# Altium PCB Copy of GameBoard_V1I1_083018.PcbDoc (part 21 of 21) (continued)
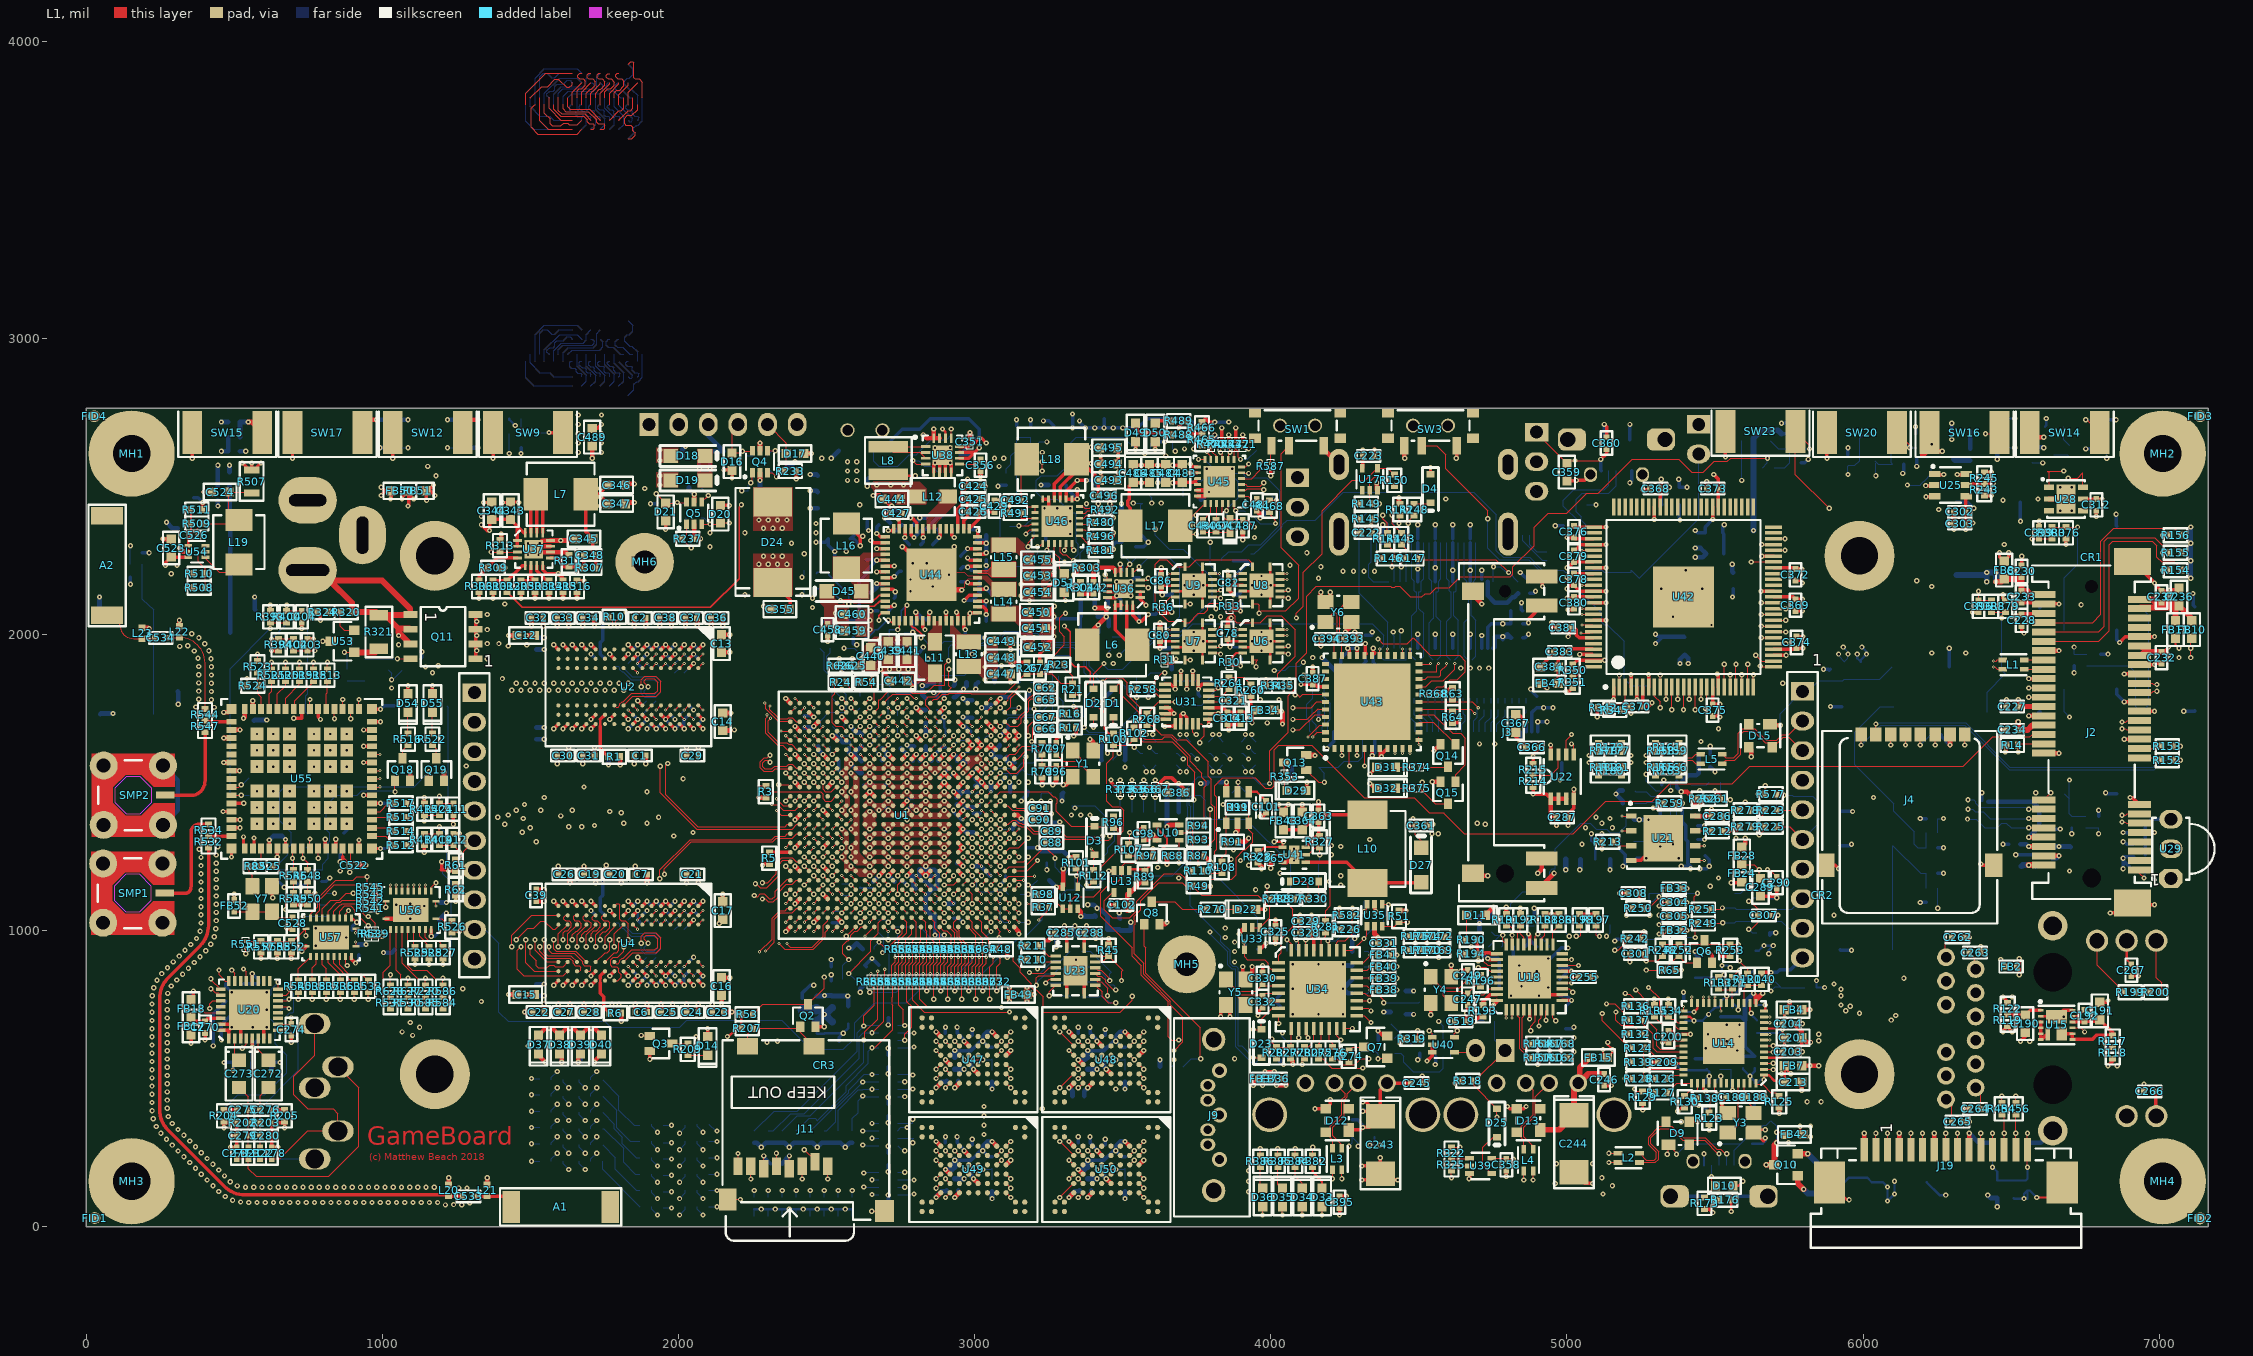
[diagram p0: L1 view]
## Nets (pads, with @x,y where several pads share a name; then routed paths per layer and width w, separated by ;. In a path a pad name is that pad's centre, name@x,y a point inside that pad or via, vN(x,y) a via of type N, cw(c..) or ccw(c..) an arc to the next point about the centre after c; other vN are vias at no path point) (continued)

## Polygon pours and split planes (outlines as drawn)
+1V5_DDR on L1 "L1-+1V5_DDR" (solid, pour order 724): 2732.28,2440.94 2736.22,2437.01 2834.65,2437.01 2838.58,2440.94 2838.58,2492.13 2814.96,2515.75 2657.48,2515.75 2649.61,2507.87 2649.61,2496.06 2657.48,2488.19 2657.48,2444.88 2665.35,2437.01
+1V375_CORE on L1 "L1" (solid, remove dead copper, pour order 708): 2889.76,1838.58 2885.83,1834.65 2755.91,1834.65 2755.91,1866.14 2748.03,1874.02 2629.92,1874.02 2629.92,1901.57 2659.45,1901.57 2669.29,1911.42 2687.01,1929.13 2811.02,1929.13 2842.52,1897.64 2889.76,1897.64
GND on L1 "L1-GND" (solid, pour order 702): 3224.41,2267.72 3259.84,2267.72 3275.59,2251.97 3275.59,2173.23 3259.84,2157.48 3259.84,2122.05 3224.41,2122.05
+VIN_5V on L1 "L1-+VIN_5V" (solid, pour order 700): 2251.97,2496.06 2251.97,2350.39 2385.83,2350.39 2385.83,2496.06
+VIN_4V2 on L1 "L1-+VIN_4V2" (solid, pour order 698): 2385.83,2125.98 2385.83,2271.65 2251.97,2271.65 2251.97,2125.98
+3V3_HDR on L1 "L1-+3V3_HDR" (solid, pour order 696): 2000,2496.06 1925.2,2496.06 1925.2,2547.24 2000,2547.24
+3V3 on L1 "L1-+3V3 1" (solid, pour order 694): 2000,2578.74 1925.2,2578.74 1925.2,2629.92 2000,2629.92
+5V_FTDI on L1 "L1-+5V_FTDI" (solid, pour order 692): 2114.17,2625.98 2114.17,2496.06 2062.99,2496.06 2062.99,2625.98
+3V3 on L1 "L1-+3V3" (solid, pour order 690): 3200.79,2110.24 3173.23,2110.24 3153.54,2129.92 3153.54,2263.78 3141.73,2275.59 3055.12,2275.59 3055.12,2326.77 3145.67,2326.77 3200.79,2271.65
GND on L1 "L1" (solid, remove dead copper, pour order 688): 18 vertices, not listed, extent 2629.92,1929.13 2787.4,1992.13
GND on L1 "L1" (solid, remove dead copper, pour order 686): 3224.41,1940.94 3224.41,1984.25 3220.47,1988.19 3220.47,2090.55 3251.97,2090.55 3271.65,2070.87 3271.65,2062.99 3271.65,2015.75 3271.65,1956.69 3255.91,1940.94
+1V5_DDR on L1 "L1" (solid, remove dead copper, pour order 684): 2830.71,2440.94 2771.65,2440.94 2763.78,2448.82 2759.84,2452.76 2759.84,2460.63 2751.97,2468.5 2657.48,2468.5 2657.48,2562.99 2751.97,2562.99 2751.97,2547.24 2771.65,2527.56 2811.02,2488.19 2830.71,2488.19
SW3LX on L1 "L1" (solid, remove dead copper, pour order 682): 2937.01,2440.94 2937.01,2488.19 2877.95,2488.19 2877.95,2440.94 2866.14,2429.13 2838.58,2401.57 2838.58,2358.27 2838.58,2354.33 2870.08,2354.33 2870.08,2374.02 2877.95,2381.89 2937.01,2440.94
+1V375_SOC on L1 "L1" (solid, remove dead copper, pour order 680): 3078.74,1850.39 3078.74,1992.13 3047.24,1992.13 3035.43,1980.31 3035.43,1972.44 3035.43,1933.07 3019.68,1917.32 2940.94,1917.32 2940.94,1866.14 3011.81,1866.14 3023.62,1854.33 3027.56,1850.39
SW1CLX on L1 "L1" (solid, remove dead copper, pour order 678): 2917.32,2047.24 2917.32,1996.06 2929.13,1984.25 2929.13,1956.69 2937.01,1948.82 3019.68,1948.82 3019.68,2000 2956.69,2000 2933.07,2023.62 2929.13,2027.56 2929.13,2047.24
SW1LX on L1 "L1" (solid, remove dead copper, pour order 676): 2858.27,2043.31 2889.76,2043.31 2889.76,1944.88 2842.52,1944.88 2842.52,2003.94 2858.27,2019.68 2858.27,2023.62
GND on L1 "L1" (solid, remove dead copper, pour order 674): 2598.43,1992.13 2598.43,2078.74 2606.3,2086.61 2649.61,2086.61 2653.54,2086.61 2657.48,2082.68 2657.48,2015.75 2657.48,2011.81 2637.8,1992.13
+5V on L1 "L1" (solid, remove dead copper, pour order 672): 2574.8,1996.06 2547.24,1996.06 2519.68,2023.62 2492.13,2023.62 2492.13,2090.55 2480.31,2102.36 2476.38,2106.3 2476.38,2169.29 2527.56,2169.29 2527.56,2122.05 2535.43,2114.17 2543.31,2106.3 2559.05,2106.3 2574.8,2090.55
SWBSTLX on L1 "L1" (solid, remove dead copper, pour order 668): 2698.82,2275.59 2698.82,2263.78 2663.39,2263.78 2647.64,2248.03 2643.7,2244.09 2643.7,2118.11 2592.52,2118.11 2592.52,2165.35 2572.83,2185.04 2521.65,2185.04 2521.65,2263.78 2612.2,2263.78 2624.02,2275.59
+0V75_DDR_VTT on L1 "L1" (solid, remove dead copper, pour order 666): 3055.12,2044.4 3055.12,2095.58 3157.48,2095.58 3161.42,2091.64 3196.85,2091.64 3196.85,1997.16 3200.79,1993.22 3200.79,1942.04 3169.29,1942.04 3165.35,1942.04 3165.35,1973.53 3157.48,1981.41 3157.48,2020.78 3133.86,2044.4
SW4LX on L1 "L1" (solid, remove dead copper, pour order 664): 3015.75,2185.04 3015.75,2196.85 3043.31,2196.85 3055.12,2185.04 3062.99,2177.17 3074.8,2177.17 3141.73,2177.17 3141.73,2125.98 3055.12,2125.98 3055.12,2161.42 3035.43,2181.1 3031.5,2185.04 3015.75,2185.04
SW2LX on L1 "L1" (solid, remove dead copper, pour order 636): 3009.84,2204.72 3009.84,2216.54 3045.28,2216.54 3057.09,2228.35 3057.09,2244.09 3139.76,2244.09 3139.76,2192.91 3057.09,2192.91 3045.28,2204.72
no net on L1 "L1" (solid, remove dead copper, pour order 632): 3009.84,2204.72 3009.84,2216.54 3045.28,2216.54 3057.09,2228.35 3057.09,2244.09 3139.76,2244.09 3139.76,2192.91 3057.09,2192.91 3045.28,2204.72
no net on L1 "L1" (solid, remove dead copper, pour order 630): 3011.81,2196.85 3011.81,2185.04 2976.38,2185.04 2964.57,2173.23 2964.57,2157.48 2881.89,2157.48 2881.89,2208.66 2964.57,2208.66 2976.38,2196.85
GND on L1 "L1" (solid, pour order 454): 20 vertices, not listed, extent 2622.05,1224.41 2732.64,1271.65
+VDDPU on L1 "L1" (solid, pour order 452): 39 vertices, not listed, extent 2716.54,1244.09 2921.26,1271.65
GND on L1 "L1" (solid, pour order 450): 39 vertices, not listed, extent 2716.54,1212.6 2921.26,1240.16
+1V375_SOC on L1 "L1" (solid, pour order 448): 47 vertices, not listed, extent 2622.05,1275.59 2921.26,1303.15
GND on L1 "L1" (solid, pour order 446): 48 vertices, not listed, extent 2622.05,1307.09 2921.26,1334.65
+1V375_CORE on L1 "L1" (solid, pour order 444): 34 vertices, not listed, extent 2685.04,1338.58 2921.26,1366.14
+1V2_VDD_ARM_CAP on L1 "L1" (solid, pour order 442): 30 vertices, not listed, extent 2685.04,1377.95 2921.26,1409.45
GND on L1 "L1" (solid, pour order 440): 28 vertices, not listed, extent 2779.53,1401.57 2921.26,1440.94
+1V5_DDR on L1 "L1" (solid, pour order 438): 40 vertices, not listed, extent 2578.74,1212.6 2716.54,1535.43
+1V2_VDD_ARM_CAP on L1 "L1" (solid, pour order 436): 41 vertices, not listed, extent 2685.04,1444.88 2921.26,1472.44
GND on L1 "L1" (solid, pour order 434): 26 vertices, not listed, extent 2700.79,1476.38 2858.27,1503.94
+1V375_CORE on L1 "L1" (solid, pour order 432): 41 vertices, not listed, extent 2622.05,1507.87 2858.27,1535.43
GND on L1 "L1" (solid, pour order 430): 50 vertices, not listed, extent 2590.55,1527.56 2921.26,1566.93
GND on L1 "L1" (solid, pour order 428): 22 vertices, not listed, extent 2622.05,1401.57 2732.28,1440.94
+1V1_VDDSOC_CAP on L1 "L1" (solid, pour order 426): 2692.91,1496.06 2661.42,1496.06 2653.54,1503.94 2637.8,1503.94 2622.05,1488.19 2622.05,1480.31 2625.98,1476.38 2633.86,1476.38 2641.73,1484.25 2649.61,1484.25 2657.48,1476.38 2696.85,1476.38 2700.79,1480.31 2700.79,1488.19
GND on L1 "L1" (solid, pour order 424): 32 vertices, not listed, extent 2547.24,1381.89 2590.55,1586.61
GND on L1 "L1" (solid, pour order 422): 38 vertices, not listed, extent 2543.31,1181.1 2669.29,1350.39
+1V1_VDDSOC_CAP on L1 "L1" (solid, pour order 420): 20 vertices, not listed, extent 2622.05,1338.58 2669.29,1409.45
GND on L1 "L1" (solid, pour order 418): 25 vertices, not listed, extent 2952.76,1523.62 3047.24,1602.36
+1V5_DDR on L12 "L12-+1V5_DDR" (solid, pour order 726): 2771.65,2507.87 2771.65,2460.63 2673.23,2460.63 2669.29,2464.57 2669.29,2488.19 2657.48,2500 2657.48,2547.24 2665.35,2555.12 2708.66,2555.12 2724.41,2539.37 2724.41,2515.75 2728.35,2511.81 2767.72,2511.81
+VIN_5V on L12 "L12-+VIN_5V" (solid, pour order 722): 2559.06,2405.51 2625.98,2472.44 2625.98,2559.06 2511.81,2559.06 2511.81,2405.51
GND on L12 "L12-GND" (solid, pour order 720): 1665.35,2751.97 1673.23,2744.09 1673.23,2606.3 1669.29,2602.36 1606.3,2602.36 1606.3,2751.97
+BAT on L12 "L12-+BAT" (solid, pour order 718): 1744.09,2751.97 1751.97,2744.09 1751.97,2606.3 1748.03,2602.36 1685.04,2602.36 1685.04,2751.97
no net on L12 "L12-No Net" (solid, pour order 716): 1759.84,2606.3
+VIN_4V2 on L12 "L10" (solid, remove dead copper, pour order 660): 2704.72,2275.59 2669.29,2275.59 2661.42,2283.46 2661.42,2291.34 2661.42,2314.96 2681.1,2334.65 2685.04,2338.58 2704.72,2338.58
+VIN_4V2 on L12 "L10" (solid, remove dead copper, pour order 658): 3009.84,2261.81 3005.91,2265.75 2974.41,2265.75 2968.5,2259.84 2968.5,2257.87 2968.5,2248.03 2966.54,2246.06 2950.79,2230.31 2942.91,2230.31 2942.91,2167.32 2978.35,2167.32 3009.84,2198.82
GND on L12 "L10" (solid, remove dead copper, pour order 656): 3011.81,2031.5 2992.13,2031.5 2984.25,2039.37 2976.38,2039.37 2948.82,2039.37 2948.82,2062.99 2956.69,2070.87 2968.5,2082.68 2986.22,2100.39 3007.87,2100.39 3007.87,2074.8 3011.81,2070.87
+VIN_4V2 on L12 "L10" (solid, remove dead copper, pour order 654): 2940.94,2110.24 2795.28,2110.24 2795.28,2090.55 2807.09,2090.55 2811.02,2086.61 2830.71,2066.93 2846.46,2066.93 2866.14,2066.93 2870.08,2062.99 2870.08,2039.37 2933.07,2039.37 2933.07,2059.06 2944.88,2070.87 2944.88,2106.3
+VIN_4V2 on L12 "L10" (solid, remove dead copper, pour order 652): 27 vertices, not listed, extent 2755.91,2202.76 2895.67,2364.17
GND on L12 "L10" (solid, remove dead copper, pour order 650): 51 vertices, not listed, extent 2687.01,2112.2 2986.22,2364.17
+3V3 on L12 "L10" (solid, remove dead copper, pour order 644): 2933.07,1346.46 2933.07,1271.65 3137.8,1271.65 3137.8,1346.46
+SATA_VPH on L12 "L10" (solid, remove dead copper, pour order 642): 2948.82,1459.93 3086.61,1461.68 3086.61,1421.26 2972.44,1421.26 2964.57,1413.39 2948.82,1413.39
GND on L12 "L10" (solid, remove dead copper, pour order 506): 3165.35,1610.24 3129.92,1610.24 3129.92,1637.8 3118.11,1649.61 3114.17,1653.54 3114.17,1661.42 3118.11,1665.35 3153.54,1665.35 3165.35,1653.54 3165.35,1645.67 3165.35,1610.24
+1V375_CORE on L12 "Power plane" (solid, pour order 502): 21 vertices, not listed, extent 2637.8,1507.87 2842.52,1535.43
GND on L12 "Power plane" (solid, pour order 500): 23 vertices, not listed, extent 2767.72,1476.38 2885.83,1539.37
+1V2_VDD_ARM_CAP on L12 "Power plane" (solid, pour order 498): 29 vertices, not listed, extent 2685.04,1456.69 2905.51,1486.22
GND on L12 "Power plane" (solid, pour order 496): 21 vertices, not listed, extent 2799.21,1401.57 2925.2,1456.69
GND on L12 "Power plane" (solid, pour order 494): 27 vertices, not listed, extent 2669.29,1354.33 2814.96,1440.94
GND on L12 "Power plane" (solid, pour order 492): 2708.66,1437.01 2653.54,1437.01 2618.11,1437.01 2618.11,1440.94 2618.11,1476.38 2641.73,1476.38 2673.23,1476.38 2673.23,1460.63 2681.1,1452.76 2692.91,1452.76 2700.79,1452.76 2708.66,1444.88
+1V1_VDDSOC_CAP on L12 "Power plane" (solid, pour order 490): 19 vertices, not listed, extent 2618.11,1322.83 2673.23,1429.13
+1V375_CORE on L12 "Power plane" (solid, pour order 488): 23 vertices, not listed, extent 2763.78,1322.83 2925.2,1389.76
+1V2_VDD_ARM_CAP on L12 "Power plane" (solid, pour order 486): 2905.51,1405.51 2905.51,1401.57 2901.57,1397.64 2897.64,1397.64 2874.02,1397.64 2870.08,1393.7 2870.08,1358.27 2862.2,1358.27 2838.58,1358.27 2838.58,1389.76 2830.71,1397.64 2830.71,1409.45 2834.65,1413.39 2846.46,1425.2 2885.83,1425.2
GND on L12 "Power plane" (solid, pour order 484): 31 vertices, not listed, extent 2763.78,1275.59 2964.57,1318.9
GND on L12 "Power plane" (solid, pour order 482): 17 vertices, not listed, extent 2543.31,1295.28 2712.6,1318.9
+1V375_SOC on L12 "Power plane" (solid, pour order 480): 45 vertices, not listed, extent 2618.11,1248.03 2929.13,1307.09
+VDDPU on L12 "Power plane" (solid, pour order 478): 30 vertices, not listed, extent 2724.41,1220.47 2925.2,1275.59
GND on L12 "Power plane" (solid, pour order 476): 40 vertices, not listed, extent 2724.41,1177.17 2968.51,1228.35
GND on L12 "Power plane" (solid, pour order 474): 26 vertices, not listed, extent 2515.75,1358.27 2578.74,1496.06
GND on L12 "L10" (solid, remove dead copper, pour order 472): 2940.94,1389.76 2940.94,1358.27 2980.31,1358.27 2992.13,1346.46 3003.94,1346.46 3003.94,1401.57 2988.19,1401.57 2984.25,1401.57 2972.44,1389.76 2940.94,1389.76
GND on L12 "L10" (solid, remove dead copper, pour order 470): 2637.8,1192.91 2637.8,1185.04 2629.92,1177.17 2618.11,1177.17 2596.46,1155.51 2596.46,1074.8 2627.95,1074.8 2627.95,1155.51 2653.54,1181.1 2653.54,1188.98 2649.61,1192.91
+1V5_DDR on L12 "L10" (solid, remove dead copper, pour order 468): 21 vertices, not listed, extent 2598.43,1181.1 2714.57,1242.13
GND on L12 "L10" (solid, remove dead copper, pour order 466): 27 vertices, not listed, extent 2555.12,1200.79 2712.6,1267.72
+1V5_DDR on L12 "L10" (solid, remove dead copper, pour order 464): 2568.9,1220.47 2588.58,1240.16 2588.58,1255.91 2588.58,1267.72 2596.46,1275.59 2608.27,1275.59 2608.27,1289.37 2580.71,1289.37 2574.8,1283.46 2562.99,1271.65 2562.99,1251.97 2562.99,1240.16 2557.09,1234.25 2557.09,1220.47
+1V5_DDR on L12 "L10" (solid, remove dead copper, pour order 462): 28 vertices, not listed, extent 2555.12,1314.96 2610.24,1559.06
GND on L12 "Power plane" (solid, pour order 460): 46 vertices, not listed, extent 2637.8,1527.56 2925.2,1622.05
GND on L12 "L10" (solid, remove dead copper, pour order 458): 22 vertices, not listed, extent 2933.07,1480.31 2988.19,1559.06
GND on L12 "L10" (solid, remove dead copper, pour order 456): 3031.5,1562.99 3031.5,1598.42 3019.68,1610.24 2996.06,1610.24 2996.06,1566.93 3011.81,1566.93 3019.68,1559.06 3027.56,1559.06
+3V3_FLASH on L5 (PWR) "L5 (PWR)-No Net" (solid, pour order 714): 2814.96,846.46 3565.6,846.46 3618.11,793.95 3618.11,0 2728.35,0 2728.35,744.59 2779.53,795.78
+DDR_VREF on L5 (PWR) "L5 (PWR)-+DDR_VREF" (solid, pour order 516): 2588.33,790.85 2438.73,790.85 2438.72,630.41 2588.33,630.41
SYS2 on L8 (PWR) "L8 (PWR)-SYS2" (solid, pour order 710): 7.87,2759.84
+3V3 on L6 (PWR) "L6 (PWR)-No Net" (solid, shelved, pour order 712): 0,0 7165.35,0 7165.35,2763.78 0,2763.78
+1V5_DDR on L7 (PWR) "L7 (PWR)-+1V5_DDR" (solid, pour order 730): 66 vertices, not listed, extent 314.96,0 7165.35,2536.42
GND on L2 "L2-GND" (solid, pour order 732): 78.74,2688.98 7090.55,2688.98 7090.55,78.74 78.74,78.74
GND on L11 "L11-GND" (solid, remove dead copper, pour order 736): 78.74,2685.04 7086.61,2685.04 7086.61,82.68 78.74,82.68
GND on L4 (split plane): 7086.52,78.84 78.84,78.84 78.84,2684.94 7086.52,2684.94
GND on L9 (split plane): 7086.52,78.84 78.84,78.84 78.84,2684.94 7086.52,2684.94

## Other copper
L1:
  pour cut-out: 177.17,2017.88 -7.87,2017.88 -7.87,2448.82 220.47,2448.82 220.47,2035.43 177.17,2035.43
  text "GameBoard" at 948.82,275.59 h60
  text "(c) Matthew Beach 2018" at 956.69,224.41 h23.62
L2:
  pour cut-out: 1374.02,0 1374.02,173.23 1818.9,173.23 1818.9,0

## Silkscreen, mask and mechanical layers (free items; w line width, h text height)
Top Solder:
  text "GameBoard" at 5877.95,1937.01 h60
  text "(c) Matthew Beach 2018" at 5889.76,1862.2 h23.62
Manufacturing Drawing:
  circle w39.37: c5987.8,514.76 r62.99
  circle w39.37: c5987.8,2264.76 r62.99
  circle w39.37: c1177.56,2264.76 r62.99
  circle w39.37: c1177.56,514.76 r62.99
  circle w23.62: c3716.54,885.83 r39.37
  circle w23.62: c1885.83,2244.09 r39.37
  circle w39.37: c7011.81,2610.24 r62.99
  circle w39.37: c7011.81,153.54 r62.99
  circle w39.37: c153.54,153.54 r62.99
  circle w39.37: c153.54,2610.24 r62.99
  lines w23.62: 0,0 7165.35,0 7165.35,2763.78 0,2763.78 0,0
Manufacturing Notes:
  lines w7.87: 7721.42,2274.8 10820.87,2283.46 ; 7721.42,2427.95 10820.87,2421.26 ; 7661.42,151.57 ccw(c7710.63,151.57) 7710.63,102.36 10771.65,102.36 ccw(c10771.65,151.57) 10820.87,151.57 10820.87,2604.33 ccw(c10771.65,2604.33) 10771.65,2653.54 7710.63,2653.54 ccw(c7710.63,2604.33) 7661.42,2604.33 7661.42,151.57
  lines w10: -11.81,-1862.2 3137.8,-1862.2 ; -11.81,-1859.25 -11.81,-1465.55 ; -11.81,-1074.8 3137.8,-1074.8 ; 1562.99,-1468.5 1562.99,-1074.8 ; 2448.82,-1074.8 2448.82,-779.53 ; 3137.8,-1859.25 3137.8,-1465.55 ; -11.81,-1468.5 3137.8,-1468.5 3137.8,-779.53 -11.81,-779.53 -11.81,-1468.5
  text "Board info" at 1943.07,5600.55 h60
  text "Minimum Track: 80um" at 1943.07,5502.13 h60
  text "Minimum Gap: 75um" at 1943.07,5403.7 h60
  text "Minimum Through Hole VIA: 0.45mm (pad) / 0.2mm (drill). Drilling: L1-L12" at 1943.07,5305.28 h60
  text "uVIA: 0.27mm (pad) / 0.1mm (laser drilled hole). Drilling: L1-L2, L2-L3, L10-L11, L11-L12" at 1943.07,5206.85 h60
  text "Files" at 82.68,5110.24 h60
  text "*.GTO - Top Overlay" at 82.68,5011.81 h60
  text "1. REMOVE ALL NON-FUNCTIONAL INNER LAYER PADS." at 1950.95,5002.13 h60
  text "*.GTP - Top Paste" at 82.68,4913.39 h60
  text "*.GTS - Top Solder" at 82.68,4814.96 h60
  text "2. THIS BOARD CONTAINS IMPEDANCE CONTROLLED TRACKS, TRACK AND GAP SIZES ARE AS FOLLOWS:" at 1950.95,4805.28 h60
  text "*.GTL - L1 (Positive)" at 82.68,4716.54 h60
  text "*.G1 - L2 (Positive)" at 82.68,4618.11 h60
  text "TYPE;" at 2147.8,4608.43 h60
  text "Impedance;" at 2639.92,4608.43 h60
  text "Layer (Reference);" at 3525.75,4608.43 h60
  text "Width (um);" at 4903.7,4608.43 h60
  text "Gap (um);" at 5691.1,4608.43 h60
  text "*.G2 - L3 (Positive)" at 82.68,4519.69 h60
  text "*.GP1 - L4 (Negative)" at 82.68,4421.26 h60
  text "DIFF;" at 2147.8,4411.57 h60
  text "90ohm;" at 2639.92,4411.57 h60
  text "L1(L2), L12(L11);" at 3525.75,4411.57 h60
  text "100" at 4903.7,4411.57 h60
  text "120" at 5691.1,4411.57 h60
  text "*.G3 - L5 (Positive)" at 82.68,4322.83 h60
  text "DIFF;" at 2147.8,4313.15 h60
  text "90ohm;" at 2639.92,4313.15 h60
  text "L3(L2,L4), L10(L9,L11)" at 3525.75,4313.15 h60
  text "100" at 4903.7,4313.15 h60
  text "120" at 5691.1,4313.15 h60
  text "*.G4 - L6 (Positive)" at 82.68,4224.41 h60
  text "*.G5 - L7 (Positive)" at 82.68,4125.98 h60
  text "DIFF;" at 2147.8,4116.3 h60
  text "100ohm;" at 2639.92,4116.3 h60
  text "L1(L2), L12(L11);" at 3525.75,4116.3 h60
  text "100" at 4903.7,4116.3 h60
  text "180" at 5691.1,4116.3 h60
  text "*.G6 - L8 (Positive)" at 82.68,4027.56 h60
  text "DIFF;" at 2147.8,4017.87 h60
  text "100ohm;" at 2639.92,4017.87 h60
  text "L3(L2,L4), L10(L9,L11)" at 3525.75,4017.87 h60
  text "100" at 4903.7,4017.87 h60
  text "180" at 5691.1,4017.87 h60
  text "*.GP2 - L9 (Negative)" at 82.68,3929.13 h60
  text "*.G7 - L10 (Positive)" at 82.68,3830.71 h60
  text "SE;" at 2147.8,3821.02 h60
  text "55ohm;" at 2639.92,3821.02 h60
  text "L1(L2), L12(L11);" at 3525.75,3821.02 h60
  text "100" at 4903.7,3821.02 h60
  text "*.G8 - L11 (Positive)" at 82.68,3732.28 h60
  text "SE;" at 2147.8,3722.6 h60
  text "55ohm;" at 2639.92,3722.6 h60
  text "L3(L2,L4), L10(L9,L11)" at 3525.75,3722.6 h60
  text "100" at 4903.7,3722.6 h60
  text "*.GBL - L12 (Positive)" at 82.68,3633.86 h60
  text "*.GBS - Bottom Solder" at 82.68,3535.43 h60
  text "3. FINISHED PANEL THICKNESS IS NOT CRITICAL: TO BE APPROXIMATELY 1.6mm" at 1950.95,3525.75 h60
  text "*.GBP - Bottom Paste" at 82.68,3437.01 h60
  text "*.GBO - Bottom Overlay" at 82.68,3338.58 h60
  text "4. BOARD FINISH: IMMERSION Au/ELECTROLESS Ni; 0.05-0.12 um GOLD; 3-6um NICKEL" at 1950.95,3328.9 h60
  text "*.GM2 - Mechanical Drawing" at 82.68,3240.16 h60
  text "*.GM3 - Manufacturing Notes" at 82.68,3141.73 h60
  text "5. SOLDER RESIST: APPLY TO BOTH SIDES COLOR - DARK BLUE" at 1950.95,3132.05 h60
  text "*.GM28 - Board Outline" at 82.68,3027.56 h60
  text "6. COMPONENT IDENT: COLOR TO BE WHITE" at 1950.95,2935.2 h60
  text "Layer Stack Up Detail" at 7721.42,2475.39 h86.61
  text "Layer" at 7721.42,2370.87 h35.43
  text "Gerber" at 8717.55,2370.87 h35.43
  text "Copper" at 9241.79,2370.87 h35.43
  text "Dielectric" at 9823.88,2370.87 h35.43
  text "Dielectric" at 10405.98,2370.87 h35.43
  text "Name" at 7721.42,2300 h35.43
  text "Document" at 8717.55,2300 h35.43
  text "Thickness" at 9241.79,2300 h35.43
  text "Height" at 9823.88,2300 h35.43
  text "Material" at 10405.98,2300 h35.43
  text "Top Solder Mask" at 7721.42,2200.25 h49.21
  text "(.GTS)" at 8717.55,2200.25 h49.21
  text "L1" at 7721.42,2059.03 h49.21
  text "(.GTL)" at 8717.55,2059.03 h49.21
  text "0.038mm" at 9241.79,2059.03 h49.21
  text "0.07mm" at 9823.88,1988.41 h49.21
  text "FR408HR" at 10405.98,1988.41 h49.21
  text "L2" at 7721.42,1917.8 h49.21
  text "(.G1)" at 8717.55,1917.8 h49.21
  text "0.038mm" at 9241.79,1917.8 h49.21
  text "0.092mm" at 9823.88,1847.19 h49.21
  text "FR408HR" at 10405.98,1847.19 h49.21
  text "L3" at 7721.42,1776.58 h49.21
  text "(.G2)" at 8717.55,1776.58 h49.21
  text "0.038mm" at 9241.79,1776.58 h49.21
  text "0.2mm" at 9823.88,1705.96 h49.21
  text "FR408HR" at 10405.98,1705.96 h49.21
  text "L4" at 7721.42,1635.35 h49.21
  text "(.GP1)" at 8717.55,1635.35 h49.21
  text "0.015mm" at 9241.79,1635.35 h49.21
  text "0.102mm" at 9823.88,1564.74 h49.21
  text "FR408HR" at 10405.98,1564.74 h49.21
  text "L5" at 7721.42,1494.12 h49.21
  text "(.G3)" at 8717.55,1494.12 h49.21
  text "0.015mm" at 9241.79,1494.12 h49.21
  text "0.1mm" at 9823.88,1423.51 h49.21
  text "FR408HR" at 10405.98,1423.51 h49.21
  text "L6" at 7721.42,1352.9 h49.21
  text "(.G4)" at 8717.55,1352.9 h49.21
  text "0.015mm" at 9241.79,1352.9 h49.21
  text "0.118mm" at 9823.88,1282.28 h49.21
  text "FR408HR" at 10405.98,1282.28 h49.21
  text "L7" at 7721.42,1211.67 h49.21
  text "(.G5)" at 8717.55,1211.67 h49.21
  text "0.015mm" at 9241.79,1211.67 h49.21
  text "0.1mm" at 9823.88,1141.06 h49.21
  text "FR408HR" at 10405.98,1141.06 h49.21
  text "L8" at 7721.42,1070.45 h49.21
  text "(.G6)" at 8717.55,1070.45 h49.21
  text "0.015mm" at 9241.79,1070.45 h49.21
  text "0.102mm" at 9823.88,999.83 h49.21
  text "FR408HR" at 10405.98,999.83 h49.21
  text "L9" at 7721.42,929.22 h49.21
  text "(.GP2)" at 8717.55,929.22 h49.21
  text "0.015mm" at 9241.79,929.22 h49.21
  text "0.2mm" at 9823.88,858.61 h49.21
  text "FR408HR" at 10405.98,858.61 h49.21
  text "L10" at 7721.42,787.99 h49.21
  text "(.G7)" at 8717.55,787.99 h49.21
  text "0.038mm" at 9241.79,787.99 h49.21
  text "0.093mm" at 9823.88,717.38 h49.21
  text "FR408HR" at 10405.98,717.38 h49.21
  text "L11" at 7721.42,646.77 h49.21
  text "(.G8)" at 8717.55,646.77 h49.21
  text "0.038mm" at 9241.79,646.77 h49.21
  text "0.071mm" at 9823.88,576.15 h49.21
  text "FR408HR" at 10405.98,576.15 h49.21
  text "L12" at 7721.42,505.54 h49.21
  text "(.GBL)" at 8717.55,505.54 h49.21
  text "0.038mm" at 9241.79,505.54 h49.21
  text "Bottom Solder Mask" at 7721.42,364.32 h49.21
  text "(.GBS)" at 8717.55,364.32 h49.21
  text "iMX6 GameBoard" at 185.04,-976.38 h118.11
  text ".VersionRevision" at 2547.24,-976.38 h118.11
  text "Copyright / Matthew Beach 2018" at -3.94,-1381.89 h60
  text "Contact:" at 185.04,-1665.35 h60
  text "beachm720@gmail.com" at 185.04,-1763.78 h60
Board Outline:
  the board outline again, w7.87

## Dimensions
1881.89,885.83 to 133.86,153.54 on Manufacturing Drawing
1984.25,2240.16 to 3818.9,885.83 on Manufacturing Drawing
1885.83,2330.71 to 3716.54,976.38 on Manufacturing Drawing
1885.83,2244.09 to 2512.41,2870.68 on Manufacturing Drawing
133.86,153.54 to 0,0 on Manufacturing Drawing
7015.75,2610.24 to 7011.81,153.54 on Manufacturing Drawing
7011.81,2610.24 to 7267.72,2775.59 on Manufacturing Drawing
153.54,141.73 to 7011.81,145.67 on Manufacturing Drawing
0,0 to 7165.35,0 on Manufacturing Drawing
0,0 to 0,2763.78 on Manufacturing Drawing

## Text inside footprints (layer, text, board x,y; h text height)
J1: 3D Bodies "NOTE: Bottom plastic may" at 4740.16,2968.5 h19.68; 3D Bodies "go over the board edge" at 4740.16,2933.07 h19.68
J2: Top Overlay "1" at 7003.94,1188.98 h40 r180
J11: Top Overlay "KEEP OUT" at 2502.95,471.46 h39.37 r180
J12: Top Overlay "1" at 5827.56,1893.7 h40; Bottom Overlay "1" at 5878.74,1791.34 h40
J13: Bottom Overlay "1" at 4015.75,2592.13 h40 r180
J14: Top Overlay "1" at 1343.31,1889.76 h40; Bottom Overlay "1" at 1394.49,1787.4 h40
J16: Bottom Overlay "1" at 1916.54,2792.91 h40 r90
J19: Top Overlay "1" at 6098.43,314.96 h40 r90
J22: Bottom Overlay "1" at 4822.83,2745.67 h40 r180
JP2: Bottom Overlay "1" at 4854.33,669.29 h40 r90
JP3: Bottom Overlay "1" at 5370.08,2771.65 h40 r180
Q11: Top Overlay "1" at 1145.67,2074.8 h40 r270
U19: Bottom Overlay "1" at 5153.54,1070.87 h40
U26: Bottom Overlay "1" at 5397.64,968.5 h40 r270